# KiCad board CRMHJN_capable_carrier.kicad_pcb (continued)
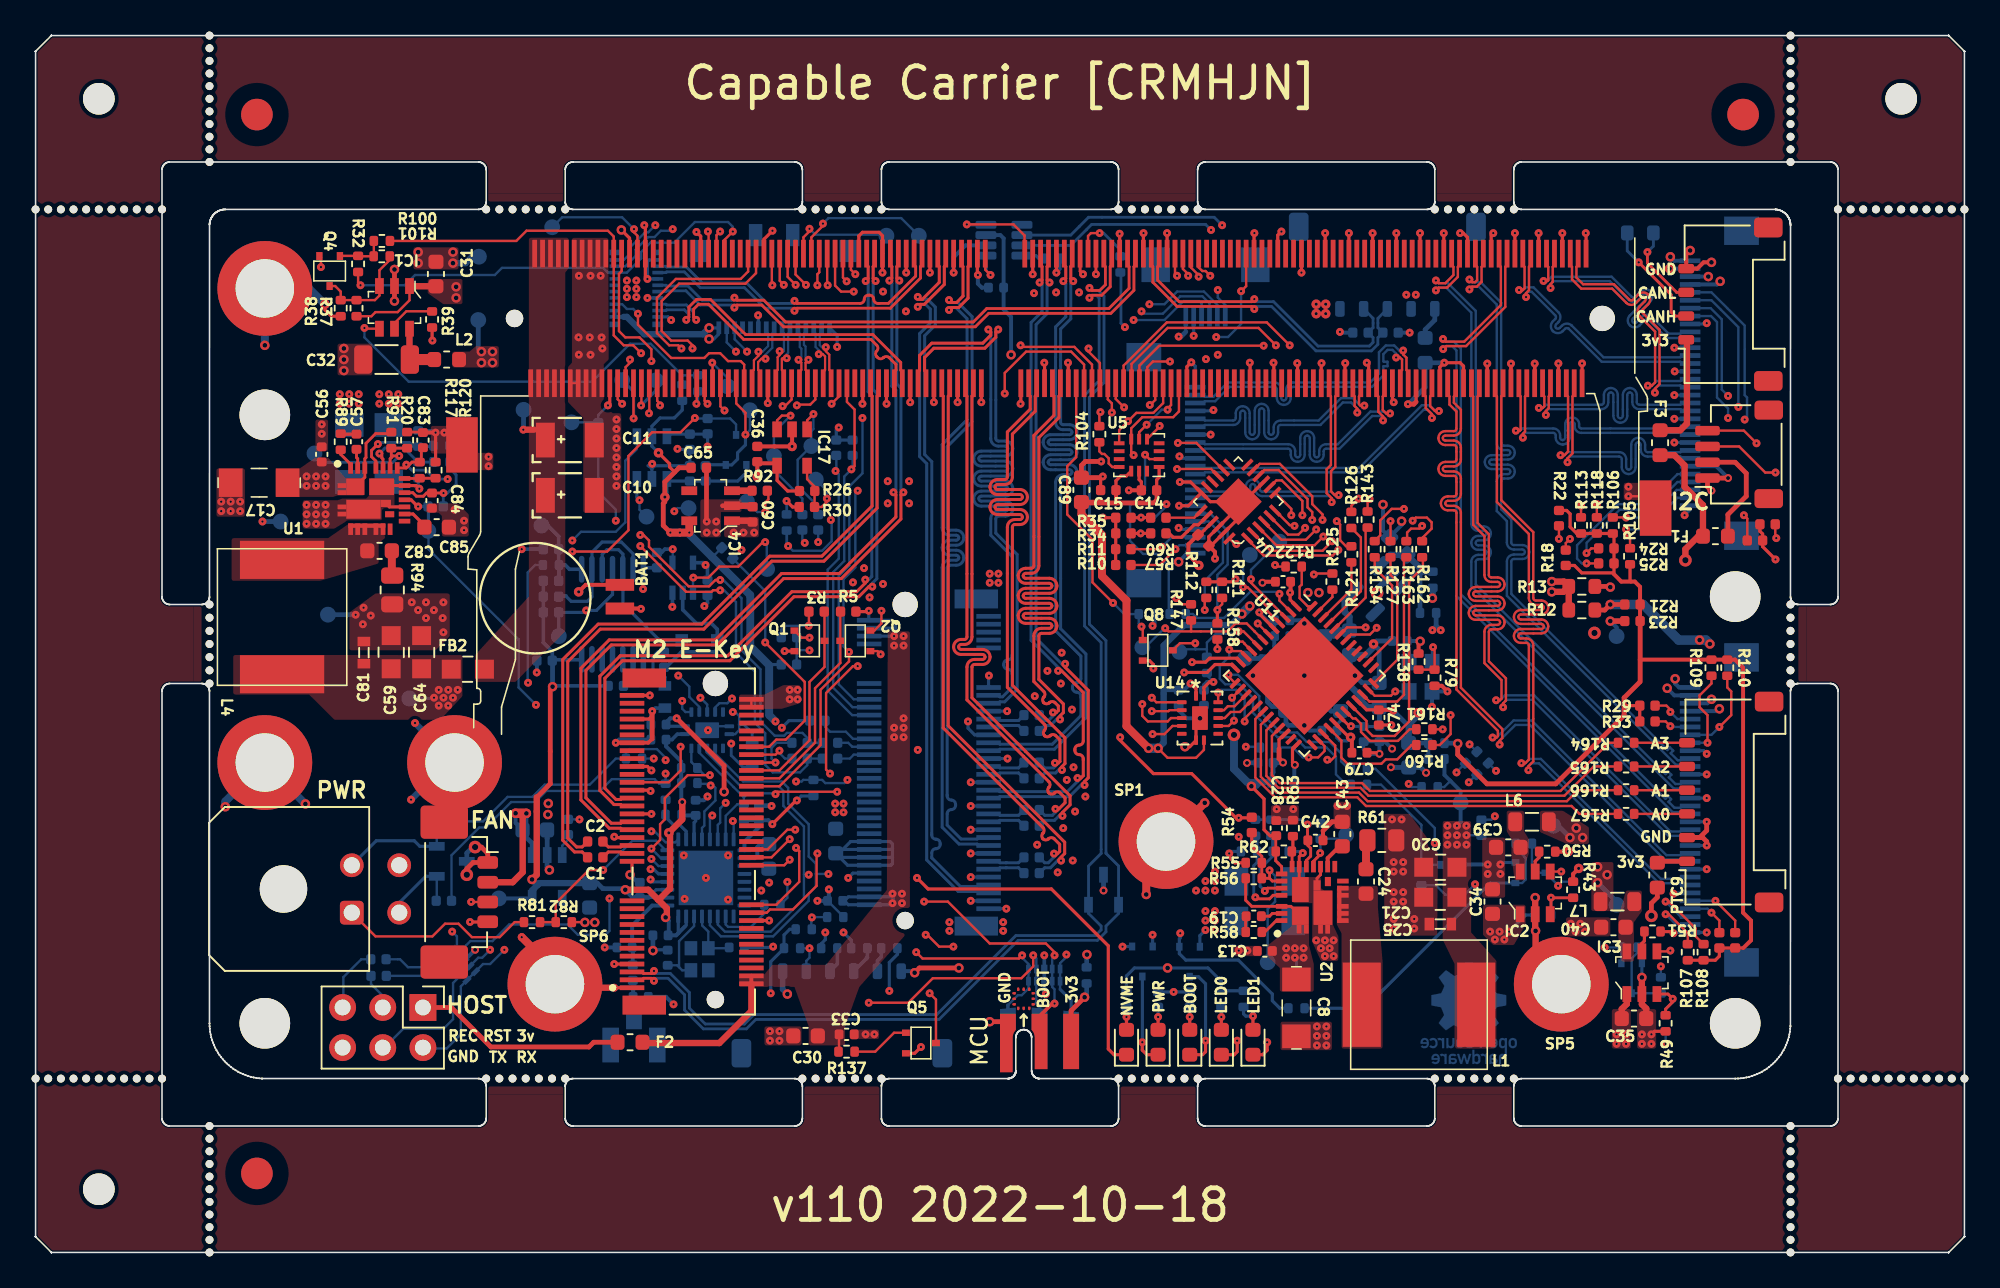
[diagram p0: board, top side]
## Routing (per net, layer and track width the routed paths; a pad name or vN(x,y) marks a point on that pad's centre or on a via; arc(x,y) is an arc through that point) (continued)
  Top w0.25: 70.7,47.42 70.91,47.63 C14.2 ; v1(79.35,41.75) 79.38,41.78 C67.2 ; C15.2 68.33,47.47
  Top w0.3: C65.1 40.7,49.65 39.8,48.75 39.8,47.5 39.7,47.4 39.7,46 v1(40.15,45.55) ; v2(43.55,29.15) 43.55,30.8 v1(40.55,33.8) ; 67.83,47.42 70.7,47.42
  Top w0.35: C89.2 66.17,47.45 67.8,47.45 67.83,47.42 ; R23.2 v2(99.6,39.95)
  Top w0.5: C89.2 66.15,46.7 67.45,45.4 67.45,42.8 69,41.25 69,33.3 v2(70.4,31.9) ; v1(40.15,45.55) v1(41.35,45.55) 41.35,46.3
  In2.Cu w0.4: v1(47.2,33.2) 47.2,32.85 43.55,29.2 v2(43.55,29.15)
  In3.Cu w0.15: 79.35,41.1 79.25,41
  In3.Cu w0.3: v1(79.35,41.75) 79.35,41.1
  In3.Cu w0.4: v1(47.2,33.2) 49.3,31.1 57.9,31.1 58.7,31.9 v2(70.4,31.9) ; v2(76.8,40.9) 77.1,41.2 78.05,41.2 78.25,41 79.25,41 79.45,40.8 88.58,40.8 ; 88.58,40.8 98.35,40.8 99.2,39.95 v2(99.6,39.95) ; 88.58,40.8 88.42,40.8 88.35,40.88 v2(88.35,41.4)
  In3.Cu w0.6: v2(76.3,40.4) v2(76.8,40.9) ; v1(46.8,33.6) v1(47.2,33.2) ; v2(70.4,31.9) v2(71,31.9)
  Bottom w0.15: R2.1 42.86,44.05 42.75,44.05
  Bottom w0.2: R114.2 47.65,33.65 v1(47.2,33.2) ; v4(39.4,50.6) 38.98,51.02 U3.5 38.98,52.28 39.5,52.8 40.4,52.8 40.9,53.3 R132.1 ; R133.1 46.4,37.2 ; U8.1 40.03,33.3 39.93,33.4 39.93,33.58 ; v4(39.8,47.8) 39.93,48.08 U3.1 40.07,48.81 C86.2 R95.1 44.41,48.81 44.96,49.36 T3.1
  Bottom w0.25: v1(40.55,33.8) 40.15,33.8 39.93,33.58 ; 71.35,35.65 71.42,35.58 C44.2 72.63,35.58 v1(73.05,36) ; TP47.1 100,39.55 v2(99.6,39.95)
  Bottom w0.4: R151.1 88.37,41.42 v2(88.35,41.4) ; v2(71,31.9) 71.35,32.25 71.35,38.4 72.65,39.7 75.6,39.7 v2(76.3,40.4)
  Bottom w0.5: v1(46.8,33.6) 46.4,34 46.4,37.15 45.2,38.35 45.2,41.6 41.35,45.45 v1(41.35,45.55) v1(40.75,45.55) v1(40.15,45.55)
  Bottom w0.6: v2(76.3,40.4) v2(76.8,40.9) ; v2(70.4,31.9) v2(71,31.9)
Board_0-3V3_CAM: length 45.6
  Top w0.2: v1(75.9,42.6) 75.73,42.44 74.05,42.44
  Top w0.3: R12.2 99.25,40.65 v2(99.6,41) R21.2
  In3.Cu w0.25: v2(99.6,41) 97.05,43.55 82.85,43.55 81.65,42.35 79.75,42.35 79.2,42.9 77.85,42.9 77.45,43.3 76.6,43.3 v1(75.9,42.6)
  Bottom w0.25: v2(106,35) 105.75,34.75 J7.3 ; v2(105.8,61.75) J6.3 ; v2(106.55,61.45) 106.35,61.25 J6.4 ; J7.4 106.35,34.25 v2(106.5,34.4)
  Bottom w0.3: v2(98.8,23.4) 100,22.2 TP25.1
  Bottom w0.6: v2(99.6,41) 101.67,41 103.92,38.75 v2(105.25,38.75) 105.65,38.75 v2(105.9,38.5)
  vias: v2(98.8,24.4) v2(99.4,23.9)
Board_0-3V3_MCU: length 114.1
  Top w0.2: v1(48.15,28.6) 48.1,28.6 v1(46.6,27.1)
  Top w0.3: 31.7,28.8 32.55,29.66 32.55,35.66 v2(32.7,35.8) ; v2(58.4,18) 55.9,18 v2(55.6,17.7)
  Top w0.4: v3(40.9,28.5) 40.9,27.4 v4(40.05,26.55) 40.13,26.47 40.13,23.01 40.11,23.01 39.42,22.33 39.38,22.33 ; 39.38,22.33 38.75,22.95 v2(37.3,22.95) ; 39.38,22.33 39.93,21.77 39.93,21.28 v2(39.85,21.2) ; 31.7,28.8 31.7,23.9 v2(31.4,23.6)
  In2.Cu w0.25: v1(46.6,27.1) 46.2,26.7 40.2,26.7 v4(40.05,26.55)
  In2.Cu w0.3: v1(46.5,16.4) 46.5,17.25 ; v2(58.4,18) 65.65,18 v2(66.5,18.85)
  In2.Cu w0.4: v2(55.6,17.7) 55.15,17.25 45.2,17.25 41.75,20.7 40.35,20.7 v2(39.85,21.2)
  Bottom w0.15: 31.37,22.4 IC5.5 ; 45.72,27.34 C18.2
  Bottom w0.2: C4.2 41.75,27.3 41.65,27.2 U7.11 ; 48.1,20.45 47.7,20.45 47.34,20.09 R52.1 47.34,19.24 46.5,18.4 v1(46.5,16.4) ; v1(48.15,28.6) 48.43,28.88 R78.1 ; 39.97,22.45 39.25,22.45 39.24,22.46 C26.2 ; U7.31 41.15,20.7 41.06,20.61 ; 39.97,22.95 39.25,22.95 38.76,22.46 ; U7.32 40.65,20.2 ; R71.2 45.72,27.34
  Bottom w0.23: R84.2 R16.1 R86.2 32.12,38.59 32.68,38.02 C48.2 32.73,37.5 34.51,37.5 ; C53.2 40.25,32.45 40.59,32.8 U8.14 ; R36.1 32.75,35.85 v2(32.7,35.8)
  Bottom w0.25: C4.2 40.91,27.66 R65.2 40.86,28.46 ; R64.2 40.84,28.56 ; U7.17 44.84,25.99 45.75,26.9 45.75,27.31 45.79,27.35 46.35,27.35 v1(46.6,27.1) ; 39.85,21.02 v2(39.85,21.2) 40.05,21 40.05,20.11 C23.2 40.52,20.06 41.06,20.61 ; C53.2 39.88,32.02 40.84,31.06 R83.2 40.84,29.7 ; TP3.1 31.37,22.4 ; v2(55.6,17.7) 55.5,17.8 54.75,17.8 J11.1
  Bottom w0.3: v2(32.7,35.8) 32.7,37.43 C48.2 ; R141.2 66.48,18.83 v2(66.5,18.85) ; C5.1 35.53,23.37 35.88,23.02 37.23,23.02 v2(37.3,22.95) 37.79,22.46 C26.2 38.76,22.46 ; 40.86,28.46 v3(40.9,28.5) 40.84,28.56
  Bottom w0.4: 31.75,23.25 31.41,22.91 IC5.5 ; 31.75,23.25 v2(31.4,23.6) ; 31.75,23.25 31.87,23.37 C5.1
Board_0-3V3_SYS: length 164.2
  Top w0.15: R137.1 50.82,12.74 C33.2 ; R147.1 72.53,41.02 v1(72.15,41.4) ; v1(75.95,44.83) 75.86,44.83 U4.24 ; 48.91,39.66 R3.2 ; J4.72 J4.74
  Top w0.18: U2.18 78.81,24.41 78.44,24.78 R62.1 78.44,26.33 C28.2
  Top w0.2: U11.22 79.02,32.82 78.65,32.45 78.65,31.85 ; v1(74.5,36.1) 74.25,36.1 73.9,35.75 U14.14 ; U4.21 73.62,45.41 C9.1 ; v2(76.9,29.5) 77.7,28.7 77.7,26.75 78.08,26.37 C28.2 ; R26.1 47.57,48.18 46.9,48.85 IC17.4 46.75,49.93 ; v1(52.7,40.6) 52.65,40.55 R5.2 ; R103.1 109.06,45.63 109.23,45.47 R102.1 109.23,44.66 v1(110.05,43.85) ; R10.1 R11.1 68.32,44.51 R34.1 R35.1 67.51,46.49 v1(67.5,46.5)
  Top w0.25: v4(73.58,43.48) 72.92,44.13 72.92,44.8 C9.1 ; v4(45.65,49.08) C36.2 45.75,49.93 46.75,49.93 ; J4.2 J4.4 ; 38.35,13.27 38.38,13.25
  Top w0.3: v3(78.9,31) 78.65,31.25 78.65,31.85 ; PTC9.1 102.58,22.47 102.2,22.1 v5(102.2,21.3)
  Top w0.4: 38.46,13.3 38.51,13.25 43.25,13.25 45.27,15.28 J4.2 ; C35.1 100.33,15.4 100.65,15.72 IC3.1 ; v5(104.35,43.8) 104.35,44.5 105.17,45.33 F1.2 105.46,47.29 104.3,48.45 104.3,49.8 103.65,50.45 F3.2
  In2.Cu w0.2: v1(110.05,43.85) 109.4,44.5 105.6,44.5 104.9,43.8 v5(104.35,43.8)
  In2.Cu w0.4: v2(71.6,18) 71.6,22.3 74.3,25 74.3,26.85 76.9,29.45 v2(76.9,29.5)
  In2.Cu w0.6: v5(104.35,43.8) 104.35,42.95 103.05,41.65 103.05,40.35 101.9,39.2 v5(98.6,39.2)
  In3.Cu w0.5: v1(72.3,57.95) 72.3,57.05
  Bottom w0.15: R131.1 91.42,26.4 v1(90.5,26.4) ; 89.49,29.84 89.1,29.45 R129.1 ; v1(102.8,18.1) R47.2 ; 74.08,36.52 v1(74.5,36.1) ; R4.1 47.16,39.41 47.4,39.65 v1(48.9,39.65)
  Bottom w0.2: 72.75,58.25 J5.1 ; v1(50.8,52.2) 50.64,52.04 R116.2 R115.2 ; 54.2,25 54.2,25.55 ; 54.2,25 54.2,24.6 54.1,24.5 J8.12 51.36,24.5 C47.2 ; 54.2,25 J8.14 50.86,25 C47.2 ; 54.2,25.55 54.2,25.85 54.05,26 J8.18 51.55,26 50.81,25.26 C47.2 ; 54.2,25.55 54.15,25.5 J8.16 50.85,25.5 C47.2 ; J8.70 54.35,39 54.4,38.95 54.4,39.5 ; R128.2 69,17.5 69.5,18 v2(71.6,18) 74.15,18 75,17.14 75,16.56 R140.1 R139.1 ; 54.4,39.5 54.4,39.75 54.15,40 J8.74 52.7,40.02 v1(52.7,40.6) ; 54.4,39.5 J8.72 ; 77.5,29.75 77.51,29.76 ; v2(42.6,58.5) 43.2,58.5 J3.1 43.2,58.5 43.2,58.1 42.9,57.8 v2(42.6,57.8) ; R152.1 88.59,39.61 ; 54.25,22.45 54.2,22.5 J8.4 51.4,22.5 51.15,22.25 51.4,22 J8.2 54.15,22 54.25,22.1 54.25,22.45
  Bottom w0.23: J13.17 J13.19 37.2,59.2
  Bottom w0.25: v1(89.9,27) 90.14,27.23 TP20.1 90.14,29.19 89.11,30.22 R149.1 ; v1(74.5,36.1) 74.1,36.1 73.9,35.9 C45.2 ; v3(78.9,31) 78.95,31 78.97,30.98 ; v2(61.7,56.8) 61.7,59.2 61.23,59.67 C90.2 61.23,64.17 61.03,64.38 U6.3
  Bottom w0.3: 88.59,39.61 v1(88.35,39.38) ; D9.2 78.22,30.31 78.27,30.37 C73.1 78.97,30.98 ; 72.75,58.25 72.45,57.95 v1(72.3,57.95) ; v1(88.88,39.38) 88.59,39.66 R152.1 ; v2(76.9,29.5) 77.25,29.5 77.5,29.75
  Bottom w0.4: 37.2,59.2 37.4,59.2 38.5,58.1 42.2,58.1 v2(42.6,58.5) ; D9.2 76.64,29.76
  Bottom w0.5: v5(75.8,32.75) 75.8,30.6 76.64,29.76
  vias: v1(47.7,35.6) v1(47.7,35) v1(48.2,35.6) v1(48.2,35) v1(54.2,22.7) v1(54.2,22.1) v1(54.3,39) v1(54.3,38.4) v1(54.3,33.2) v1(54.3,32.6) v1(54.8,22.7) v1(54.8,22.1) v1(54.9,39) v1(54.9,38.4) v1(54.9,33.8) v1(54.9,33.2) v1(54.9,32.6) v1(89.3,27) v1(89.3,26.4) v1(89.3,25.8) v1(89.9,26.4) v1(89.9,25.8) v1(90.5,27) v1(90.5,25.8) v1(100,13.8) v1(100,13.2) v1(100.6,13.8) v1(100.6,13.2)
Board_0-3V_PWR_GOOD: length 3.7
  Top w0.18: v1(81.25,25.28) 81.25,25.17 80.83,24.75 U2.14
  Bottom w0.15: TP12.1 82.72,26.42 82.48,26.18 R59.2 81.27,25.3 v1(81.25,25.28)
Board_0-5V0_CAM: length 9.6
  Top w0.3: v2(99.6,42.1) 99.56,42.14 R13.2
  In3.Cu w0.5: v2(99.6,42.1) 101.2,42.1
  Bottom w0.25: v2(103.7,36.3) 103.7,36 103.95,35.75 J7.1 ; v2(103.35,62.25) J6.2 ; v2(103.4,63) 103.65,62.75 J6.1 ; J7.2 103.65,35.25 v2(103.2,35.7)
  Bottom w0.3: v2(97.05,26.25) 96.3,27 TP22.1
  vias: v2(97.45,26.85) v2(97.85,26.25)
Board_0-5V0_SYS: length 47.8
  Top w0.15: IC1.1 23.65,60.25 22.9,59.5 21.5,59.5 21.24,59.24 R37.2
  Top w0.18: C83.2 24.4,50.82 24.4,50.11 R117.1 23.81,50.01 23.58,49.77 ; 23.58,49.77 23.44,49.64 U1.18 ; 23.58,49.77 23.52,49.77 v1(23.45,49.85)
  Top w0.25: 31.03,27.79 v2(31.05,27.78)
  Top w0.4: IC1.1 23.66,61.14 C31.1 ; 26.56,61.14 v2(26.6,61.1) ; J12.2 30.17,23.42 30.81,24.06 30.81,27.55 v2(31.05,27.78)
  Top w0.406: 44.05,46.3 45.27,46.3
  Top w0.6: v2(30.36,27.79) 31.03,27.79
  In2.Cu w0.2: 71.98,16.58 v1(71.98,16.48)
  In2.Cu w0.4: v1(76.1,26.3) 76.1,20.7 71.98,16.58
  Bottom w0.15: R31.2 34.4,27.41 v1(34.4,27.4)
  Bottom w0.18: v1(25.2,35.1) 25.16,35.06 TP41.1 ; v1(26.06,48.94) 25.26,48.94 24.7,49.5 23.8,49.5 v1(23.45,49.85)
  Bottom w0.2: v1(93.2,20.3) 94.25,21.35 R42.2 ; U3.6 40.07,51.78 C88.2 42.61,51.78 ; v1(42.5,51) 42.51,51.01 R46.2 ; R97.2 R14.2
  Bottom w0.23: C71.2 42.5,43.38 v1(42.38,43.5) 42.23,43.65 IC13.5
  Bottom w0.25: v2(31.05,27.78) 31.05,26.98 C3.1 30.36,27.18 v2(30.36,27.79)
  Bottom w0.3: IC5.1 31.41,25.89 30.8,26.5 C3.1
  vias: v1(25.5,35.6) v1(25.5,34.6) v1(25.8,35.1) v1(26.1,35.6) v1(26.1,34.6) v1(26.4,35.1) v1(26.7,35.6) v1(44.15,45.55) v1(44.77,45.55) v1(45.45,45.55) v1(92,20.3) v1(92.3,19.8) v1(92.6,20.3) v1(92.9,19.8) v2(26.6,60.4)
Board_0-#RECOVERY: length 59.9
  Top w0.15: M1.214 42.82,56.18 42.8,56.2 v1(42.8,56.3)
  In2.Cu w0.15: v1(26.35,20.3) 28.05,20.3 29.25,21.5 29.25,26.75 29,27 29,28.45 29.9,29.35 29.9,36.8 31.2,38.1 34.05,38.1 35.45,39.5 35.45,55.2 37.9,57.65 39.45,57.65 40.8,56.3 v1(42.8,56.3)
  Bottom w0.15: TP39.1 43.76,55.34 v1(42.8,56.3) ; v1(26.35,20.3) 26.65,20 26.65,19.4 25.88,18.63 U10.5 25.29,18.05 23.55,18.05 23.05,18.55 R99.2
Board_0-#RESET: length 169.9
  Top w0.15: v1(38.3,56.9) 37.8,57.4 37.2,57.4 36.57,58.03 M1.239 36.57,64.28 36.2,64.65 31.05,64.65 30.41,64 R100.2 ; R92.2 46.35,48.13 46.35,47.65 46.15,47.45 v1(46.15,46.85)
  Top w0.2: R54.2 76.89,27.5 v1(76.1,27.5) 75.92,27.5 73.12,30.3 ; v1(68.6,32.6) 68.6,32.4 70.7,30.3 73.1,30.3
  In2.Cu w0.15: v1(55.8,31.8) 55.8,27.3 57.25,25.85 57.25,16.2 53.85,12.8 44.55,12.8 40.75,16.6 38.6,16.6 37.55,17.65 37.55,20.8 36.3,22.05 v1(36.3,22.4) ; v1(46.15,46.85) 46.15,47.5 44.08,49.58 44.08,53.52 43.2,54.4 41.9,54.4 39.3,57 38.4,57 v1(38.3,56.9)
  In2.Cu w0.2: v1(72.4,20.2) 72.4,21.1 73.6,22.3 74.9,22.3 75.3,22.7 75.3,24.4 74.9,24.8 74.9,26.3 v1(76.1,27.5)
  In3.Cu w0.2: 56,31.6 57.6,31.6 58.5,32.5 68.5,32.5 v1(68.6,32.6) ; 56,31.6 v1(55.8,31.8) ; 56,31.6 49.8,31.6 46.75,34.65 46.75,46.25 v1(46.15,46.85)
  Bottom w0.15: TP29.1 45.65,46.85 v1(46.15,46.85) ; R98.2 25.44,17.5 U10.4 26.23,18.28 27.2,19.25 27.2,19.4 27.5,19.7 28.9,19.7 29.95,20.75 33.65,20.75 34.3,20.1 36.05,20.1 36.3,20.35 v1(36.3,22.4)
  Bottom w0.2: v1(72.4,20.2) 72.4,19.9 72.34,19.84 T2.1 72.34,18.91 72.75,18.5 76.08,18.5 78.22,16.35 78.22,15.92 78.7,15.45 R123.2
Board_0-#SHUTDOWN_REQ: length 39.7
  Top w0.15: v1(37.85,64.75) 37.85,64.55 38.07,64.33 M1.233
  In2.Cu w0.15: v1(37.85,64.75) 37.8,64.7 37.8,64.2 36.83,63.23 36.83,61.23 36.5,60.9 36.5,56.95 35.1,55.55 35.1,40.9 v1(34.83,40.62)
  Bottom w0.15: v1(37.85,64.75) 37.1,65.5 33.3,65.5 TP28.1
  Bottom w0.2: TP33.1 33.09,39.01 R86.1 34.7,40.5 v1(34.83,40.62) 35.48,40.62 36.49,41.64 IC12.4
Board_0-+1V2: length 21
  Top w0.18: U11.30 82.52,33.88 83.1,33.3 v1(83.2,33.3)
  Top w0.2: U11.5 77.4,40.41 v1(77.4,40.5)
  Bottom w0.18: 83.23,33.27 v1(83.2,33.3) 83.22,33.28 C72.2
  Bottom w0.2: C58.2 C61.2 ; 85,34.48 C62.2 ; v1(77.4,40.5) 77.94,39.95 78.39,39.95 ; C66.2 C72.2
  Bottom w0.25: C55.2 78.42,38.27 78.35,38.35 78.35,38.98 C58.2
  Bottom w0.3: C55.2 77.5,37.7 77.39,37.59 TP35.1 ; C66.2 85,34.48
  Bottom w0.4: R148.1 81.53,35.84 81.52,35.83 ; C55.2 78.42,36.95 79.55,35.83 81.52,35.83 ; C62.2 84.26,34.49 83.83,34.92 83.83,35.17 83.17,35.83 FB4.1 81.52,35.83
Board_0-/CSI/CAM0_SCL: length 31.9
  Top w0.15: v1(82,45) 81.4,44.4 78.12,44.4 U4.2 ; v1(98.1,44.25) 98.4,44.55 R24.2
  In2.Cu w0.15: v1(98.1,44.25) 97.95,44.4 93.85,44.4 93.4,44.85 87.03,44.85 86.78,45.1 82.1,45.1 v1(82,45)
  Bottom w0.15: J6.29 103.85,48.75 102.1,47 100.2,47 98.1,44.9 v1(98.1,44.25)
Board_0-/CSI/CAM0_SDA: length 34
  Top w0.15: R25.2 v1(98.1,43.6) ; v1(82.4,44.45) 82.05,44.1 77.68,44.1 76.64,45.14 U4.1
  In2.Cu w0.15: v1(98.1,43.6) 97.25,43.6 96.9,43.95 93.6,43.95 93.05,44.5 86.8,44.5 86.58,44.73 82.67,44.73 v1(82.4,44.45)
  Bottom w0.15: J6.28 103.85,49.25 101.95,47.35 100.1,47.35 97.5,44.75 97.5,43.9 97.8,43.6 v1(98.1,43.6)
Board_0-/CSI/CAM1_SCL: length 45.4
  Top w0.15: v1(81,45.75) 80.35,45.1 78.8,45.1 77.7,46.2 U4.4 ; v1(97.05,45.15) 96.78,44.88 R18.2
  In2.Cu w0.15: v1(81,45.75) 81.03,45.77 87.03,45.77 87.33,45.48 95.92,45.48 96.15,45.7 96.5,45.7 v1(97.05,45.15) 97.15,45.05 100.95,45.05 101.3,45.4 101.3,46.25 107.6,52.55 107.6,53.05 107.7,53.15 v1(107.7,53.5)
  Bottom w0.15: J6.6 106,60.25 107.7,58.55 v1(107.7,53.5)
Board_0-/CSI/CAM1_SDA: length 47.2
  Top w0.15: v1(81.45,45.3) 80.9,44.75 78.48,44.75 U4.3 ; R22.2 96.36,45.16 v1(96.35,45.15)
  In2.Cu w0.15: v1(81.45,45.3) 81.62,45.48 86.9,45.48 87.2,45.17 96.33,45.17 v1(96.35,45.15) 96.35,44.9 96.6,44.65 97.4,44.65 97.5,44.75 101.15,44.75 101.65,45.25 101.65,46.1 108.1,52.55 v1(108.1,52.7)
  Bottom w0.15: J6.5 106,60.75 108.1,58.65 108.1,54.25 108.25,54.1 108.25,52.85 v1(108.1,52.7)
Board_0-/CSI/CAM2_SCL: length 51.2
  Top w0.15: v1(79.62,45.98) 79.58,46.02 79.33,46.02 U4.6 ; R27.2 106.5,21 v1(106,21.5)
  In2.Cu w0.15: v1(79.62,45.98) 79.62,45.73 81.75,43.6 92.53,43.6 98.03,38.1 104.5,38.1 107.1,35.5 107.1,24.7 105.75,23.35 105.75,21.75 v1(106,21.5)
  Bottom w0.15: J7.29 105.75,21.75 v1(106,21.5)
Board_0-/CSI/CAM2_SDA: length 52.4
  Top w0.15: v1(106.25,22.25) 107.5,21 R28.2 ; U4.5 79.22,45.42 79.88,45.42 v1(80.3,45.85)
  In2.Cu w0.15: v1(106.25,22.25) 106.25,23.35 107.4,24.5 107.4,35.6 104.6,38.4 98.28,38.4 92.78,43.9 81.97,43.9 80.3,45.58 v1(80.3,45.85)
  Bottom w0.15: v1(106.25,22.25) J7.28
Board_0-/CSI/CAM3_SCL: length 38.8
  Top w0.15: v1(80.12,46.65) 80.12,47.55 78.83,48.85 78.48,48.85 U4.8 ; R33.2 103.1,33.6 v1(103.4,33.3)
  In2.Cu w0.15: v1(103.4,33.3) 99.2,37.5 97.62,37.5 92.12,43 81.38,43 78.8,45.58 78.8,46.85 79.12,47.17 79.8,47.17 80.12,46.85 v1(80.12,46.65)
  Bottom w0.15: v1(103.4,33.3) 103.45,33.25 J7.6
Board_0-/CSI/CAM3_SDA: length 34.6
  Top w0.15: U4.7 78.41,48.07 79.42,47.05 v1(79.42,46.65) ; v1(103.4,34.2) 103.4,34.35 103.15,34.6 R29.2
  In2.Cu w0.15: v1(103.4,34.2) 103,34.2 99.4,37.8 97.83,37.8 92.33,43.3 81.58,43.3 79.15,45.73 79.15,46.38 v1(79.42,46.65)
  Bottom w0.15: J7.5 103.85,33.75 v1(103.4,34.2)
Board_0-/CSI/CAM3V_EN: length 9.4
  Top w0.18: IC3.3 103.25,16.35 v1(103.55,16.05) 103.55,15.85 103.1,15.4 R49.2
  Bottom w0.15: v1(103.55,16.05) 103.25,16.35 102.84,16.35 R47.1 102.79,16.4 Q7.3 100.95,18.6 101.33,18.97 R1.1
  Bottom w0.18: R49.2 103.1,15.4 103.55,15.85 v1(103.55,16.05)
Board_0-/CSI/CAM4_PWR: length 31.6
  Top w0.4: v2(95.9,41.8) 96.63,41.8 R13.1 ; R13.1 96.67,42.45 v2(95.9,42.45) ; R13.1 R12.1
  In2.Cu w0.5: v2(72.3,43.7) 72.3,43.5 73.1,42.7 74.6,42.7 75.4,43.5 77.4,43.5 78.1,42.8 79.42,42.8 v2(80.47,41.75)
  In2.Cu w0.6: v2(81.17,41.75) v2(80.47,41.75)
  In3.Cu w0.6: v2(81.17,41.75) 82.17,41.75 83.25,42.83 95.53,42.83 v2(95.9,42.45) v2(95.9,41.8)
  Bottom w0.25: J10.1 72.85,44.25 v2(72.3,43.7)
Board_0-/CSI/CAM4_SCL: length 23.8
  Top w0.15: v1(81.4,46.35) 81.4,46.7 80.75,47.35 80.75,47.85 78.7,49.9 77.42,49.9 77.01,49.49 U4.11 ; v1(71.25,44.65) 71.1,44.5 R11.2
  In2.Cu w0.15: v1(71.25,44.65) 71.25,45.75 72.1,46.6 73.6,46.6 74.8,47.8 80.3,47.8 81.4,46.7 v1(81.4,46.35)
  Bottom w0.15: v1(71.25,44.65) 71.85,45.25 J10.3
Board_0-/CSI/CAM4_SDA: length 20.7
  Top w0.15: U4.10 77.72,49.51 78.62,49.51 80.45,47.67 80.45,47.15 80.75,46.85 v1(80.75,46.35) ; R10.2 71.1,43.5 v1(72.1,44.5)
  In2.Cu w0.15: v1(80.75,46.35) 80.75,46.85 80.1,47.5 75.1,47.5 v1(72.1,44.5)
  Bottom w0.15: v1(72.1,44.5) 72.35,44.75 J10.2
Board_0-/CSI/CAM5V_EN: length 14.1
  Top w0.18: IC2.3 95.85,21.45 v1(95.85,22.45) 95.86,22.44 R43.2
  In2.Cu w0.15: v1(91.05,23.3) 95,23.3 v1(95.85,22.45)
  Bottom w0.15: v1(91.05,23.3) 90.38,22.62 Q6.3 89.17,22.62 88.56,23.23 R119.1
  Bottom w0.18: R43.2 95.86,22.44 v1(95.85,22.45) 95.85,21.36 R42.1
Board_0-/CSI/CAMREG_EN: length 19
  In2.Cu w0.15: v1(96.3,23.2) 97.6,23.2 100.7,20.1 100.7,16.7 103.1,14.3 v1(103.1,13.2)
  Bottom w0.15: R40.1 96.56,23.46 v1(96.3,23.2) 96.3,23.22 Q3.3 95.08,24.03 94.64,24.45 94.64,25.88 ; R41.1 v1(103.1,13.2)
Board_0-/CSI/CSI0_CLK_N: length 16.5
  Top w0.152: v1(95.53,53) 95.53,53.24 95.71,53.42 95.71,54.16 95.82,54.27 M1.10
  Bottom w0.152: J6.20 104.15,53.25 104.04,53.36 101.44,53.36 arc(101.12,53.49) 101,53.8 101,54.26 arc(100.95,54.37) 100.84,54.42 arc(100.72,54.37) 100.67,54.26 100.67,52.94 arc(100.55,52.63) 100.24,52.5 arc(99.92,52.63) 99.8,52.94 99.8,54.26 arc(99.75,54.37) 99.64,54.42 arc(99.52,54.37) 99.47,54.26 99.47,53.8 arc(99.35,53.49) 99.04,53.36 95.64,53.36 95.53,53.24 v1(95.53,53)
Board_0-/CSI/CSI0_CLK_P: length 16.5
  Top w0.152: M1.12 95.32,54.27 95.43,54.16 95.43,53.54 95.33,53.44 v1(95.08,53.44)
  Bottom w0.152: v1(95.08,53.44) 95.33,53.44 95.53,53.64 99.04,53.64 arc(99.15,53.69) 99.2,53.8 99.2,54.26 arc(99.32,54.57) 99.64,54.7 arc(99.95,54.57) 100.08,54.26 100.08,52.94 arc(100.12,52.83) 100.24,52.78 arc(100.35,52.83) 100.4,52.94 100.4,54.26 arc(100.52,54.57) 100.84,54.7 arc(101.15,54.57) 101.28,54.26 101.28,53.8 arc(101.32,53.69) 101.44,53.64 104.04,53.64 104.15,53.75 J6.19
Board_0-/CSI/CSI0_D0_N: length 16.5
  Top w0.152: v1(96.9,50) 96.9,50.25 97.21,50.56 97.21,54.16 97.32,54.27 M1.4
  Bottom w0.152: J6.26 104.15,50.25 104.04,50.36 101.96,50.36 arc(101.65,50.49) 101.53,50.8 101.53,51.11 arc(101.48,51.22) 101.36,51.27 arc(101.25,51.22) 101.2,51.11 101.2,49.69 arc(101.08,49.38) 100.76,49.26 arc(100.45,49.38) 100.33,49.69 100.33,50.2 arc(100.28,50.31) 100.16,50.36 97.01,50.36 96.9,50.25 v1(96.9,50)
Board_0-/CSI/CSI0_D0_P: length 16.5
  Top w0.152: M1.6 96.82,54.27 96.93,54.16 96.93,50.68 96.7,50.45 v1(96.45,50.45)
  Bottom w0.152: J6.25 104.15,50.75 104.04,50.64 101.96,50.64 arc(101.85,50.69) 101.8,50.8 101.8,51.11 arc(101.68,51.42) 101.36,51.54 arc(101.05,51.42) 100.92,51.11 100.92,49.69 arc(100.88,49.58) 100.76,49.53 arc(100.65,49.58) 100.6,49.69 100.6,50.2 arc(100.48,50.51) 100.16,50.64 96.89,50.64 96.7,50.45 v1(96.45,50.45)
Board_0-/CSI/CSI0_D1_N: length 16.5
  Top w0.152: M1.16 94.32,54.27 94.21,54.16 94.21,51.94 94.07,51.8 v1(94.07,51.55)
  Bottom w0.152: J6.23 104.15,51.75 104.04,51.86 97.76,51.86 arc(97.47,51.98) 97.35,52.27 97.35,52.41 arc(97.31,52.51) 97.22,52.54 97.16,52.54 arc(97.07,52.51) 97.03,52.41 97.03,52 97.03,52 97.03,51.56 arc(96.9,51.25) 96.59,51.13 96.58,51.13 arc(96.28,51.25) 96.15,51.56 96.15,51.7 arc(96.1,51.81) 95.99,51.86 94.13,51.86 94.07,51.8 v1(94.07,51.55)
Board_0-/CSI/CSI0_D1_P: length 16.5
  Top w0.152: v1(93.63,52) 93.87,52 93.93,52.05 93.93,54.16 93.82,54.27 M1.18
  Bottom w0.152: v1(93.63,52) 93.87,52 94.02,52.14 95.99,52.14 arc(96.3,52.01) 96.43,51.7 96.43,51.56 arc(96.47,51.45) 96.58,51.41 96.59,51.41 arc(96.7,51.45) 96.75,51.56 96.75,52 96.75,52 96.75,52.41 arc(96.87,52.7) 97.16,52.82 97.22,52.82 arc(97.51,52.7) 97.63,52.41 97.63,52.27 arc(97.67,52.18) 97.76,52.14 104.04,52.14 104.15,52.25 J6.22
Board_0-/CSI/CSI1_CLK_N: length 16.5
  Top w0.152: v1(95.82,61.03) 95.82,61.27 95.96,61.41 95.96,62.36 96.07,62.48 M1.9
  Bottom w0.152: J6.11 104.15,57.75 104.04,57.86 103.17,57.86 102.02,59 arc(101.91,59.05) 101.8,59 101.46,58.66 arc(101.15,58.54) 100.84,58.66 arc(100.71,58.97) 100.84,59.29 101.94,60.39 arc(101.99,60.5) 101.94,60.62 arc(101.83,60.66) 101.71,60.62 101.37,60.28 arc(101.06,60.15) 100.75,60.28 99.57,61.46 96.01,61.46 95.82,61.27 v1(95.82,61.03)
Board_0-/CSI/CSI1_CLK_P: length 16.5
  Top w0.152: v1(95.38,61.47) 95.62,61.47 95.68,61.53 95.68,62.36 95.57,62.48 M1.11
  Bottom w0.152: v1(95.38,61.47) 95.62,61.47 95.89,61.74 99.68,61.74 100.95,60.47 arc(101.06,60.43) 101.18,60.47 101.52,60.81 arc(101.83,60.94) 102.14,60.81 arc(102.27,60.5) 102.14,60.19 101.03,59.09 arc(100.99,58.97) 101.03,58.86 arc(101.15,58.81) 101.26,58.86 101.6,59.2 arc(101.91,59.33) 102.22,59.2 103.28,58.14 104.04,58.14 104.15,58.25 J6.10
Board_0-/CSI/CSI1_D0_N: length 16.5
  Top w0.152: M1.3 97.57,62.48 97.46,62.36 97.46,61.69 97.88,61.26 99.83,61.26 100.81,60.28 arc(100.93,60.24) 101.04,60.28 101.37,60.62 arc(101.68,60.74) 101.99,60.62 arc(102.12,60.3) 101.99,59.99 101.66,59.66 arc(101.61,59.55) 101.66,59.44 102.71,58.38 102.71,54.94 102.42,54.65 v1(102.42,54.4)
  Bottom w0.152: J6.17 104.15,54.75 104.04,54.86 102.63,54.86 102.42,54.65 v1(102.42,54.4)
Board_0-/CSI/CSI1_D0_P: length 16.5
  Top w0.152: v1(101.98,54.85) 102.22,54.85 102.44,55.06 102.44,58.27 101.46,59.24 arc(101.33,59.55) 101.46,59.86 101.79,60.19 arc(101.84,60.3) 101.79,60.42 arc(101.68,60.46) 101.57,60.42 101.24,60.09 arc(100.93,59.96) 100.62,60.09 99.72,60.99 97.77,60.99 97.18,61.57 97.18,62.36 97.07,62.48 M1.5
  Bottom w0.152: J6.16 104.15,55.25 104.04,55.14 102.52,55.14 102.22,54.85 v1(101.98,54.85)
Board_0-/CSI/CSI1_D1_N: length 16.5
  Top w0.152: v1(94.27,60.45) 94.27,60.7 94.46,60.89 94.46,62.36 94.57,62.48 M1.15
  Bottom w0.152: J6.14 104.15,56.25 104.04,56.36 99.06,56.36 96.97,58.45 arc(96.86,58.49) 96.74,58.45 96.59,58.3 arc(96.28,58.17) 95.97,58.3 arc(95.84,58.61) 95.97,58.92 96.12,59.07 arc(96.17,59.18) 96.12,59.3 94.63,60.79 94.36,60.79 94.27,60.7 v1(94.27,60.45)
Board_0-/CSI/CSI1_D1_P: length 16.5
  Top w0.152: M1.17 94.07,62.48 94.18,62.36 94.18,61 94.07,60.9 v1(93.83,60.9)
  Bottom w0.152: v1(93.83,60.9) 94.07,60.9 94.24,61.06 94.75,61.06 96.32,59.49 arc(96.45,59.18) 96.32,58.87 96.17,58.72 arc(96.12,58.61) 96.17,58.5 arc(96.28,58.45) 96.4,58.5 96.54,58.64 arc(96.86,58.77) 97.17,58.64 99.17,56.64 104.04,56.64 104.15,56.75 J6.13
Board_0-/CSI/CSI2_CLK_N: length 45.5
  Top w0.152: v1(92.82,34.5) 92.82,34.74 93,34.92 93,36.33 91.92,37.41 91.92,39.27 arc(91.97,39.38) 92.08,39.43 92.47,39.43 arc(92.78,39.56) 92.91,39.87 arc(92.78,40.18) 92.47,40.31 91.09,40.31 arc(90.98,40.36) 90.93,40.47 arc(90.98,40.58) 91.09,40.63 92.47,40.63 arc(92.78,40.76) 92.91,41.07 arc(92.78,41.38) 92.47,41.51 91.09,41.51 arc(90.98,41.56) 90.93,41.67 arc(90.98,41.78) 91.09,41.83 92.47,41.83 arc(92.78,41.96) 92.91,42.27 arc(92.78,42.58) 92.47,42.71 92.08,42.71 arc(91.97,42.76) 91.92,42.87 91.92,45.45 91.21,46.16 91.21,54.16 91.32,54.27 M1.28
  Bottom w0.152: J7.20 104.15,26.25 104.04,26.36 103.28,26.36 94.67,34.97 93.05,34.97 92.82,34.74 v1(92.82,34.5)
Board_0-/CSI/CSI2_CLK_P: length 45.5
  Top w0.152: v1(92.38,34.94) 92.62,34.94 92.72,35.04 92.72,36.21 91.64,37.29 91.64,39.27 arc(91.77,39.58) 92.08,39.71 92.47,39.71 arc(92.58,39.76) 92.63,39.87 arc(92.58,39.98) 92.47,40.03 91.09,40.03 arc(90.78,40.16) 90.65,40.47 arc(90.78,40.78) 91.09,40.91 92.47,40.91 arc(92.58,40.96) 92.63,41.07 arc(92.58,41.18) 92.47,41.23 91.09,41.23 arc(90.78,41.36) 90.65,41.67 arc(90.78,41.98) 91.09,42.11 92.47,42.11 arc(92.58,42.16) 92.63,42.27 arc(92.58,42.38) 92.47,42.43 92.08,42.43 arc(91.77,42.56) 91.64,42.87 91.64,45.33 90.93,46.04 90.93,54.16 90.82,54.27 M1.30
  Bottom w0.152: v1(92.38,34.94) 92.62,34.94 92.93,35.25 94.79,35.25 103.4,26.64 104.04,26.64 104.15,26.75 J7.19
Board_0-/CSI/CSI2_D0_N: length 45.5
  Top w0.152: v1(94.42,30.52) 94.42,30.76 94.73,31.07 94.73,38.41 arc(94.6,38.72) 94.29,38.85 93.94,38.85 arc(93.83,38.9) 93.78,39.01 arc(93.83,39.12) 93.94,39.17 95.24,39.17 arc(95.55,39.3) 95.68,39.61 arc(95.55,39.92) 95.24,40.05 93.94,40.05 arc(93.83,40.1) 93.78,40.21 arc(93.83,40.32) 93.94,40.37 95.24,40.37 arc(95.55,40.5) 95.68,40.81 arc(95.55,41.12) 95.24,41.25 94.89,41.25 arc(94.78,41.3) 94.73,41.41 94.73,45.58 92.71,47.6 92.71,54.16 92.82,54.27 M1.22
  Bottom w0.152: J7.26 104.15,23.25 104.04,23.36 102.68,23.36 95.09,30.95 94.61,30.95 94.42,30.76 v1(94.42,30.52)
Board_0-/CSI/CSI2_D0_P: length 45.5
  Top w0.152: v1(93.98,30.96) 94.22,30.96 94.45,31.19 94.45,38.41 arc(94.4,38.52) 94.29,38.57 93.94,38.57 arc(93.63,38.7) 93.5,39.01 arc(93.63,39.32) 93.94,39.45 95.24,39.45 arc(95.35,39.5) 95.4,39.61 arc(95.35,39.72) 95.24,39.77 93.94,39.77 arc(93.63,39.9) 93.5,40.21 arc(93.63,40.52) 93.94,40.65 95.24,40.65 arc(95.35,40.7) 95.4,40.81 arc(95.35,40.92) 95.24,40.97 94.89,40.97 arc(94.58,41.1) 94.45,41.41 94.45,45.46 92.43,47.48 92.43,54.16 92.32,54.27 M1.24
  Bottom w0.152: J7.25 104.15,23.75 104.04,23.64 102.8,23.64 95.21,31.23 94.49,31.23 94.22,30.96 v1(93.98,30.96)
Board_0-/CSI/CSI2_D1_N: length 45.5
  Top w0.152: v1(92.6,32.14) 92.6,32.38 92.77,32.55 92.77,33.12 90.15,35.74 90.15,46.8 arc(90.02,47.11) 89.71,47.24 89.33,47.24 arc(89.21,47.29) 89.16,47.4 arc(89.21,47.51) 89.33,47.56 89.71,47.56 arc(90.02,47.69) 90.15,48 90.15,48.98 arc(90.02,49.29) 89.71,49.42 89.17,49.42 arc(89.06,49.47) 89.01,49.58 arc(89.06,49.69) 89.17,49.74 89.71,49.74 arc(90.02,49.87) 90.15,50.18 90.15,50.93 arc(90.02,51.24) 89.71,51.37 89.17,51.37 arc(89.06,51.42) 89.01,51.53 arc(89.06,51.64) 89.17,51.69 89.71,51.69 arc(90.02,51.82) 90.15,52.13 90.15,53.33 89.71,53.77 89.71,54.16 89.82,54.27 M1.34
  Bottom w0.152: J7.23 104.15,24.75 104.04,24.86 103.03,24.86 94.51,33.38 93.6,33.38 92.6,32.38 v1(92.6,32.14)
